# Altium PCB RockerBox_1_SiC780A_Rev02.PcbDoc (part 1 of 4) (continued)
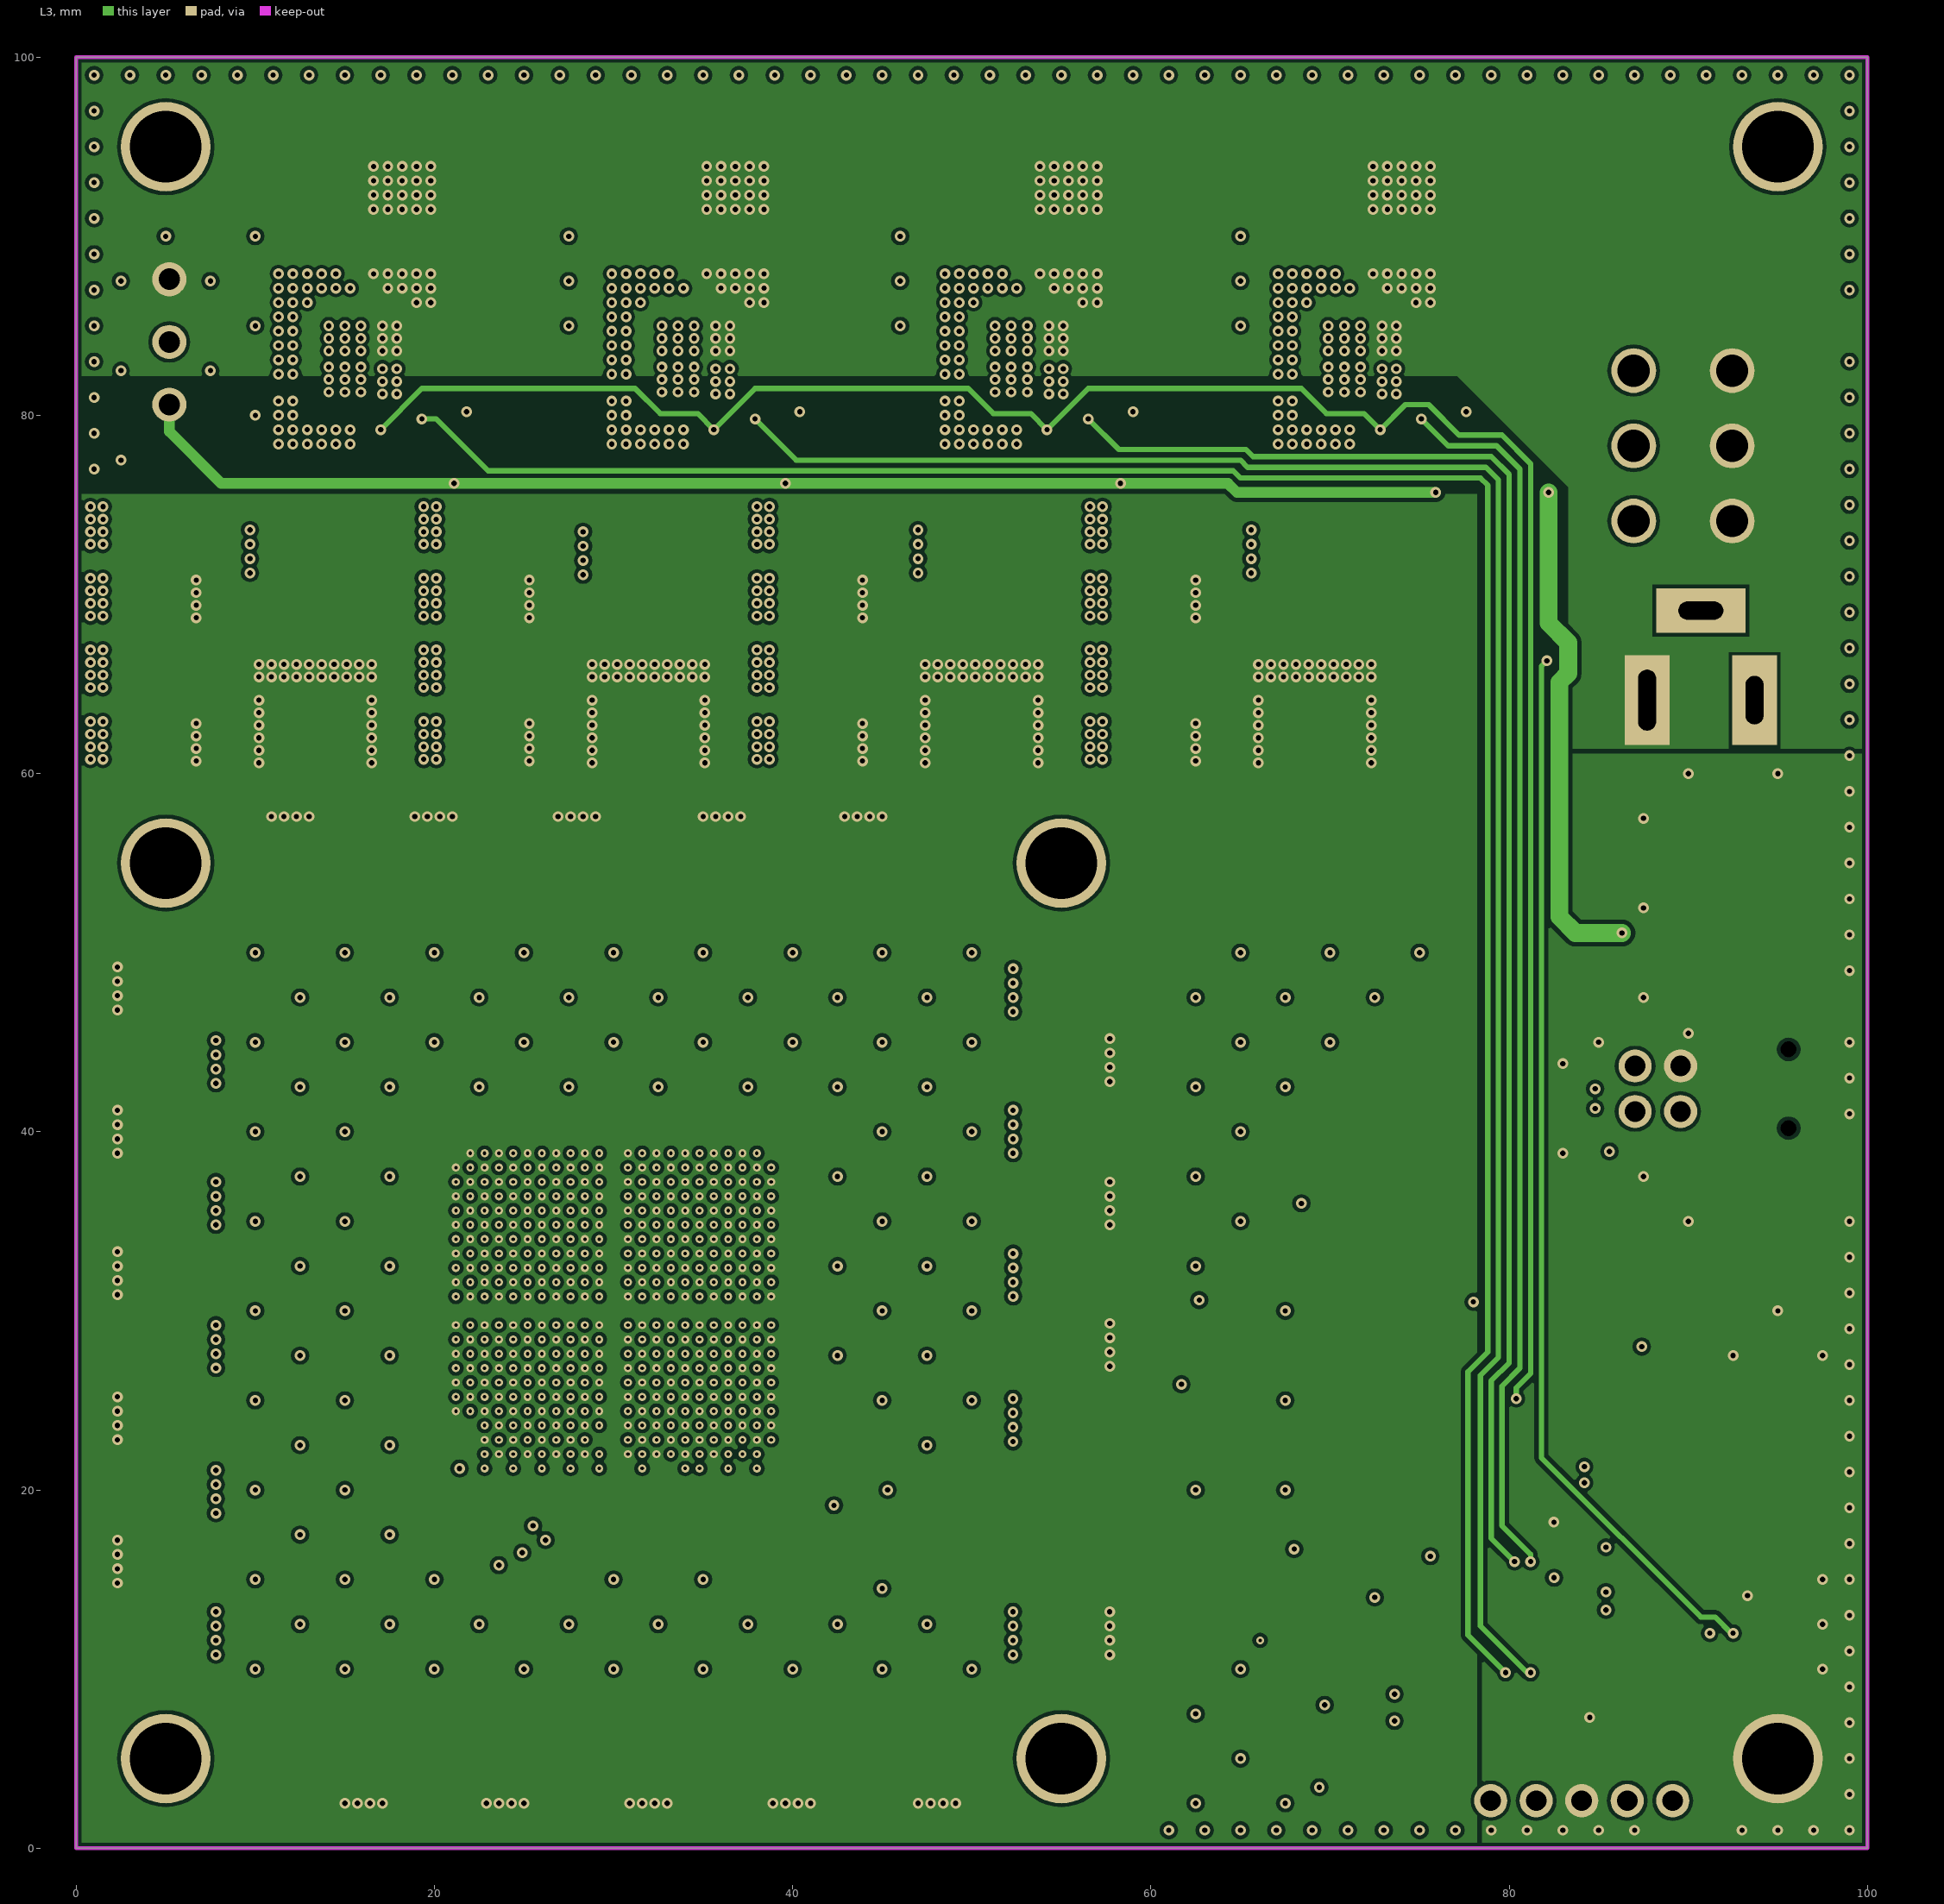
[diagram p3: L3]
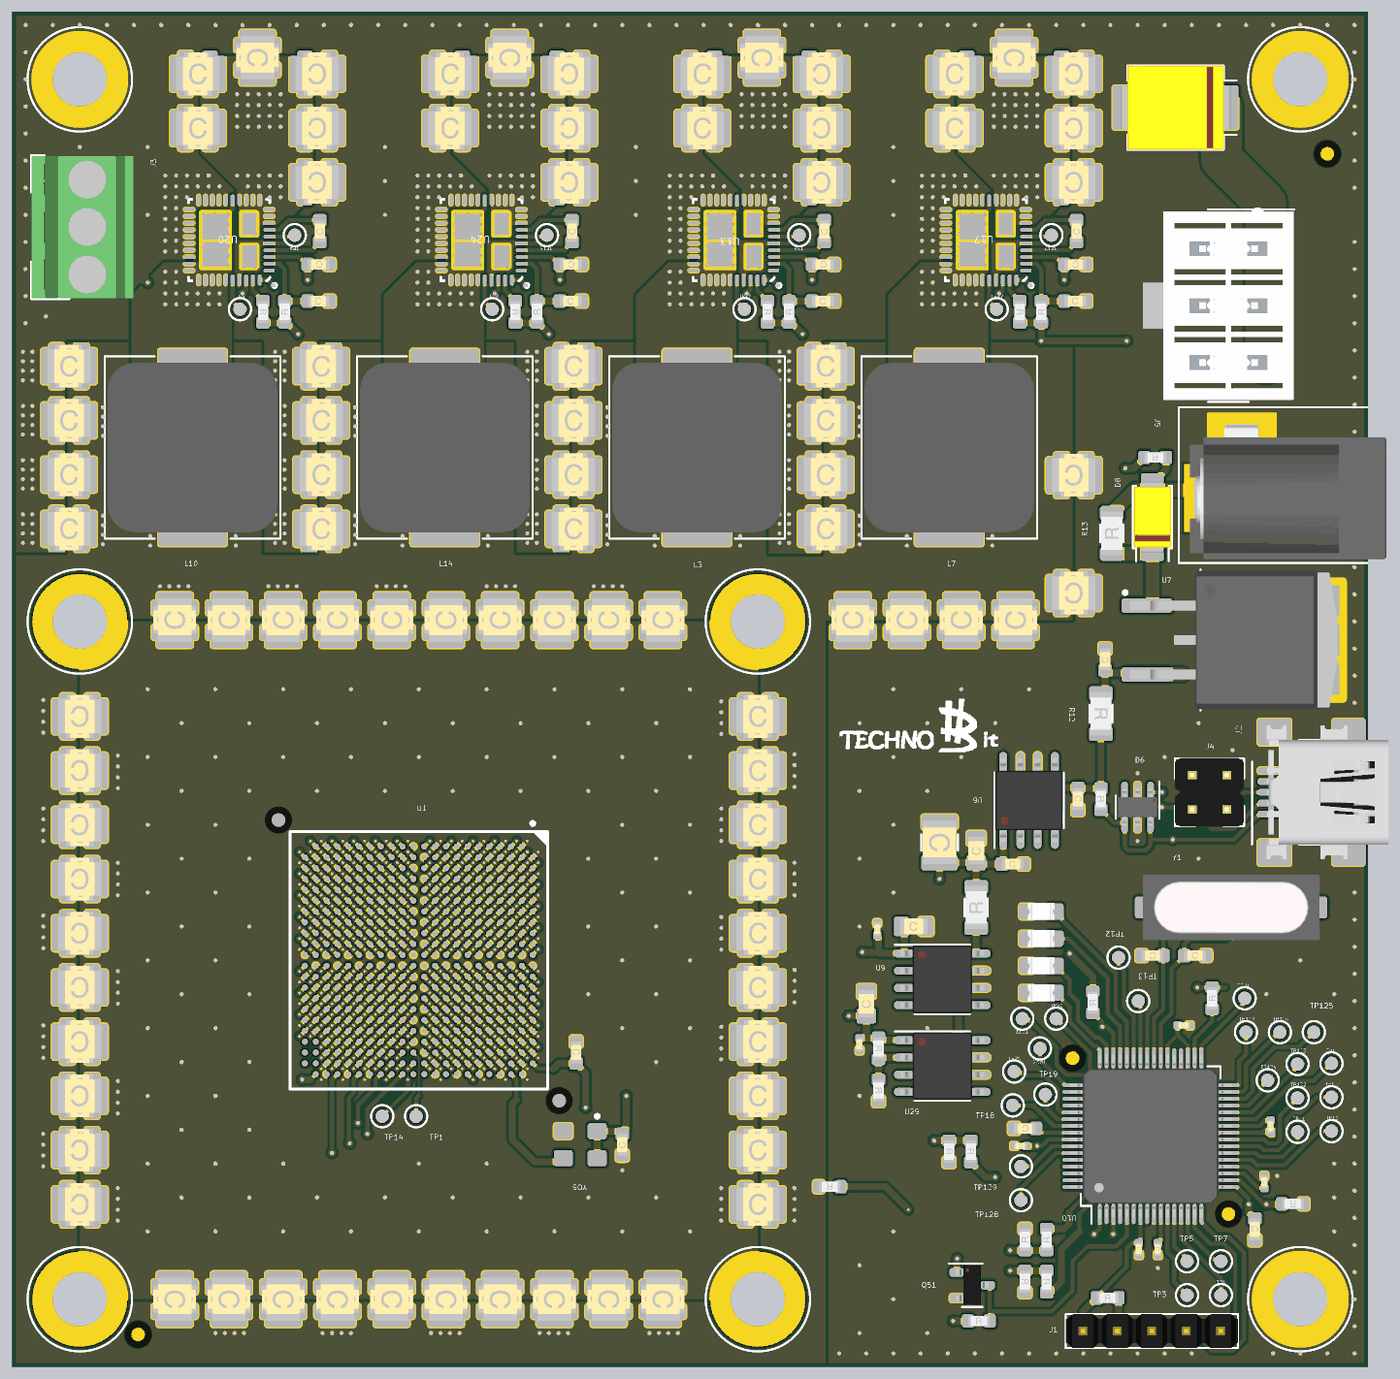
[diagram p7: 3D render of the assembled board from above, using the file's embedded part models]

## Layer stack, top to bottom
21_Solder Mask Top: solder mask 0.0102, Solder Resist, Dk 3.5
L1: signal copper 0.0335
Dielectric1: dielectric 0.18, FR-4, Dk 4.75
L2: signal copper 0.035
Dielectric2: dielectric 1.08, FR-4, Dk 4.75
L3: signal copper 0.035
Dielectric3: dielectric 0.18, FR-4, Dk 4.75
L4: signal copper 0.0335
28_Solder Mask Bottom: solder mask 0.0102, Solder Resist, Dk 3.5

## Board outline
0,100 100,100 100,0 0,0

## Design rules (kind name [scope] priority, off if disabled: settings)
Clearance "'All on Layer' PADS rule_62" [OnLayer('L2') vs OnLayer('L2')] p1: gap=0.25
Clearance "'All on Layer' PADS rule_61" [OnLayer('L2') And InPolygon vs OnLayer('L2') And InPolygon] p2: gap=0.3
Clearance "'All on Layer' PADS rule_60" [OnLayer('L2') vs OnLayer('L2')] p3: gap=0.25
Clearance "'All on Layer' PADS rule_59" [OnLayer('L2') And IsSMTPin vs OnLayer('L2') And IsSMTPin] p4: gap=0.15
Clearance "'All on Layer' PADS rule_58" [OnLayer('L2') And IsThruPin vs OnLayer('L2') And IsSMTPin] p5: gap=0.25
Clearance "'All on Layer' PADS rule_57" [OnLayer('L2') And IsSMTPin vs OnLayer('L2') And IsThruPin] p6: gap=0.15
Clearance "'All on Layer' PADS rule_56" [OnLayer('L2') And IsVia vs OnLayer('L2') And IsSMTPin] p7: gap=0.25
Clearance "'All on Layer' PADS rule_55" [OnLayer('L2') And IsSMTPin vs OnLayer('L2') And IsVia] p8: gap=0.15
Clearance "'All on Layer' PADS rule_54" [OnLayer('L2') And (IsTrack Or IsArc) vs OnLayer('L2') And IsSMTPin] p9: gap=0.25
Clearance "'All on Layer' PADS rule_53" [OnLayer('L2') And IsSMTPin vs OnLayer('L2') And (IsTrack Or IsArc)] p10: gap=0.15
Clearance "'All on Layer' PADS rule_52" [OnLayer('L2') vs OnLayer('L2') And (IsTrack Or IsArc Or IsThruPin Or IsSMTPin Or IsVia Or IsFill Or InPolygon)] p11: gap=0.25
Clearance "'All on Layer' PADS rule_49" [OnLayer('L2') And IsVia vs OnLayer('L2') And IsVia] p12: gap=0.1
Clearance "'All on Layer' PADS rule_47" [OnLayer('L3') vs OnLayer('L3')] p13: gap=0.25
Clearance "'All on Layer' PADS rule_46" [OnLayer('L3') And InPolygon vs OnLayer('L3') And InPolygon] p14: gap=0.3
Clearance "'All on Layer' PADS rule_45" [OnLayer('L3') vs OnLayer('L3')] p15: gap=0.25
Clearance "'All on Layer' PADS rule_44" [OnLayer('L3') And IsSMTPin vs OnLayer('L3') And IsSMTPin] p16: gap=0.15
Clearance "'All on Layer' PADS rule_43" [OnLayer('L3') And IsThruPin vs OnLayer('L3') And IsSMTPin] p17: gap=0.25
Clearance "'All on Layer' PADS rule_42" [OnLayer('L3') And IsSMTPin vs OnLayer('L3') And IsThruPin] p18: gap=0.15
Clearance "'All on Layer' PADS rule_41" [OnLayer('L3') And IsVia vs OnLayer('L3') And IsSMTPin] p19: gap=0.25
Clearance "'All on Layer' PADS rule_40" [OnLayer('L3') And IsSMTPin vs OnLayer('L3') And IsVia] p20: gap=0.15
Clearance "'All on Layer' PADS rule_39" [OnLayer('L3') And (IsTrack Or IsArc) vs OnLayer('L3') And IsSMTPin] p21: gap=0.25
Clearance "'All on Layer' PADS rule_38" [OnLayer('L3') And IsSMTPin vs OnLayer('L3') And (IsTrack Or IsArc)] p22: gap=0.15
Clearance "'All on Layer' PADS rule_37" [OnLayer('L3') vs OnLayer('L3') And (IsTrack Or IsArc Or IsThruPin Or IsSMTPin Or IsVia Or IsFill Or InPolygon)] p23: gap=0.25
Clearance "'All on Layer' PADS rule_34" [OnLayer('L3') And IsVia vs OnLayer('L3') And IsVia] p24: gap=0.1
Clearance "'Default' PADS rule_33" [All] p25: gap=0.2
Clearance "'Default' PADS rule_32" [InPolygon vs InPolygon] p26: gap=0.3
Clearance "'Default' PADS rule_31" [All] p27: gap=0.2
Clearance "'Default' PADS rule_30" [IsSMTPin vs IsSMTPin] p28: gap=0.15
Clearance "'Default' PADS rule_29" [IsThruPin vs IsSMTPin] p29: gap=0.2
Clearance "'Default' PADS rule_28" [IsSMTPin vs IsThruPin] p30: gap=0.15
Clearance "'Default' PADS rule_27" [IsVia vs IsSMTPin] p31: gap=0.2
Clearance "'Default' PADS rule_26" [IsSMTPin vs IsVia] p32: gap=0.11
Clearance "'Default' PADS rule_25" [(IsTrack Or IsArc) vs IsSMTPin] p33: gap=0.2
Clearance "'Default' PADS rule_24" [IsSMTPin vs (IsTrack Or IsArc)] p34: gap=0.11
Clearance "'Default' PADS rule_23" [All] p35: gap=0.2
Clearance "'Default' PADS rule_22" [IsVia vs IsVia] p36: gap=0.11
Clearance "'Default' PADS rule_21" [(IsTrack Or IsArc) vs IsVia] p37: gap=0.2
Clearance "'Default' PADS rule_20" [IsVia vs (IsTrack Or IsArc)] p38: gap=0.11
Clearance "'Default' PADS rule_19" [All] p39: gap=0.2
Clearance "'Default' PADS rule_16" [IsVia vs IsVia] p40: gap=0.1
ComponentClearance "'Default' PADS rule_13" [All] p1: gap=0 collisioncheckmode=3 verticalgap=0.254 showdistances=FALSE
FlightTimeFalling "'Default' PADS rule_11" [All] p1: maximum=10.00
FlightTimeRising "'Default' PADS rule_10" [All] p1: maximum=10.00
Length "'Default' PADS rule_5" [All] p1: maxlimit=1270 minlimit=0
MatchedLengths "'Default' PADS rule_12" [InNetClass('All Nets')] p1: tolerance=5.08 checknetsindiffpair=TRUE checkdiffpairvsdiffpair=TRUE checkothers=TRUE
MaxMinImpedance "'Default' PADS rule_9" [All] p1: minimum=50.00 maximum=150.0
ParallelSegment "'Default' PADS rule_8" [All] p1: limit=25.4 gap=5.08
ParallelSegment "'Default' PADS rule_7" [All] p2: limit=25.4 gap=5.08
PlaneClearance "Power Plane Clearance for J2-10" [(Name='J2-10') Or (Name='J2-11')] p1: clearance=0.4 // PAD - Power Plane Clearance
PlaneClearance "Power Plane Clearance for J1-1" [(Name='J1-1') Or (Name='J1-2') Or (Name='J1-3') Or (Name='J1-4') Or (Name='J1-5') Or (Name='J12-1') Or (Name='J12-2') Or (Name='J12-3') Or (Name='J12-4') Or (Name='J12-5') Or (Name='J12-6') Or (Name='J13-1') Or (Name='J14-1') Or (Name='J15-1') Or (Name='J22-1') Or (Name='J23-1') Or (Name='J24-1') Or (Name='J3-1') Or (Name='J3-2') Or (Name='J3-3') Or (Name='J4-1') Or (Name='J4-2') Or (Name='J4-3') Or (Name='J4-4') Or (Name='J9-1')] p2: clearance=0.5 // PAD - Power Plane Clearance
PlaneClearance "'Default' PADS rule_15" [All] p3: clearance=0.3
PlaneConnect "Power Plane Connect Style for VIA60-30-85" [IsVia And (ViaDiameter=23.622) And (HoleSize=11.811)] p1: planeconnectstyle=Relief reliefexpansion=0.15 reliefentries=4 reliefconductorwidth=0.5 reliefairgap=0.254
PlaneConnect "Power Plane Connect Style for VIA45H20" [IsVia And (ViaDiameter=17.716) And (HoleSize=7.874)] p2: planeconnectstyle=Relief reliefexpansion=0.125 reliefentries=2 reliefconductorwidth=0.1 reliefairgap=0.254
PlaneConnect "Power Plane Connect Style for J9-1" [(Name='J9-1')] p3: planeconnectstyle=Relief reliefexpansion=0.3 reliefentries=4 reliefconductorwidth=0.7 reliefairgap=0.254
PlaneConnect "Power Plane Connect Style for J5-3" [(Name='J5-3')] p4: planeconnectstyle=Relief reliefexpansion=0.75 reliefentries=4 reliefconductorwidth=0.5 reliefairgap=0.254
PlaneConnect "Power Plane Connect Style for J5-2" [(Name='J5-2')] p5: planeconnectstyle=Relief reliefexpansion=0.75 reliefentries=4 reliefconductorwidth=0.5 reliefairgap=0.254
PlaneConnect "Power Plane Connect Style for J5-1" [(Name='J5-1')] p6: planeconnectstyle=Relief reliefexpansion=0.75 reliefentries=4 reliefconductorwidth=0.5 reliefairgap=0.254
PlaneConnect "Power Plane Connect Style for J3-1" [(Name='J3-1')] p7: planeconnectstyle=Relief reliefexpansion=0.3 reliefentries=4 reliefconductorwidth=0.29 reliefairgap=0.2
PlaneConnect "Power Plane Connect Style for J24-1" [(Name='J24-1')] p8: planeconnectstyle=Relief reliefexpansion=0.3 reliefentries=4 reliefconductorwidth=0.7 reliefairgap=0.254
PlaneConnect "Power Plane Connect Style for J23-1" [(Name='J23-1')] p9: planeconnectstyle=Relief reliefexpansion=0.3 reliefentries=4 reliefconductorwidth=0.7 reliefairgap=0.254
PlaneConnect "Power Plane Connect Style for J22-1" [(Name='J22-1')] p10: planeconnectstyle=Relief reliefexpansion=0.3 reliefentries=4 reliefconductorwidth=0.7 reliefairgap=0.254
PlaneConnect "Power Plane Connect Style - pads with no thermal" [(Name='J2-10') Or (Name='J2-11')] p11: planeconnectstyle=NoConnect reliefexpansion=0.508 reliefentries=4 reliefconductorwidth=0.254 reliefairgap=0.254 // PAD - No Thermal Connect Rule
PlaneConnect "Power Plane Connect Style for J15-1" [(Name='J15-1')] p12: planeconnectstyle=Relief reliefexpansion=0.3 reliefentries=4 reliefconductorwidth=0.7 reliefairgap=0.254
PlaneConnect "Power Plane Connect Style for J14-1" [(Name='J14-1')] p13: planeconnectstyle=Relief reliefexpansion=0.3 reliefentries=4 reliefconductorwidth=0.7 reliefairgap=0.254
PlaneConnect "Power Plane Connect Style for J13-1" [(Name='J13-1')] p14: planeconnectstyle=Relief reliefexpansion=0.3 reliefentries=4 reliefconductorwidth=0.7 reliefairgap=0.254
PlaneConnect "Power Plane Connect Style for J12-6" [(Name='J12-6')] p15: planeconnectstyle=Relief reliefexpansion=0.35 reliefentries=4 reliefconductorwidth=0.38 reliefairgap=0.254
PlaneConnect "Power Plane Connect Style for J12-5" [(Name='J12-5')] p16: planeconnectstyle=Relief reliefexpansion=0.35 reliefentries=4 reliefconductorwidth=0.38 reliefairgap=0.254
PlaneConnect "Power Plane Connect Style for J12-4" [(Name='J12-4')] p17: planeconnectstyle=Relief reliefexpansion=0.35 reliefentries=4 reliefconductorwidth=0.38 reliefairgap=0.254
PlaneConnect "Power Plane Connect Style for J12-3" [(Name='J12-3')] p18: planeconnectstyle=Relief reliefexpansion=0.35 reliefentries=4 reliefconductorwidth=0.38 reliefairgap=0.254
PlaneConnect "Power Plane Connect Style for J12-2" [(Name='J12-2')] p19: planeconnectstyle=Relief reliefexpansion=0.35 reliefentries=4 reliefconductorwidth=0.38 reliefairgap=0.254
PlaneConnect "Power Plane Connect Style for J12-1" [(Name='J12-1')] p20: planeconnectstyle=Relief reliefexpansion=0.35 reliefentries=4 reliefconductorwidth=0.38 reliefairgap=0.254
PlaneConnect "Power Plane Connect Style for J1-1" [(Name='J1-1')] p21: planeconnectstyle=Relief reliefexpansion=0.3 reliefentries=4 reliefconductorwidth=0.28 reliefairgap=0.2
PlaneConnect "Power Plane Connect Style - Via from round thru-hole global defaults" [IsVia] p22: planeconnectstyle=Relief reliefexpansion=0.508 reliefentries=4 reliefconductorwidth=0.5 reliefairgap=0.254
PlaneConnect "Power Plane Connect Style - Round thru-hole pad from global defaults" [IsPad And OnMultiLayer And (PadShape_MidLayer1 = 'Round') And (PadXSize_MidLayer1 = PadYSize_MidLayer1)] p23: planeconnectstyle=Relief reliefexpansion=0.508 reliefentries=4 reliefconductorwidth=0.5 reliefairgap=0.254
PlaneConnect "Power Plane Connect Style - Square thru-hole pad from global defaults" [IsPad And OnMultiLayer And ((PadShape_MidLayer1 = 'Rectangular') Or (PadShape_MidLayer1 = 'Octagonal') Or (PadShape_MidLayer1 = 'Rounded Rectangle')) And (PadXSize_MidLayer1 = PadYSize_MidLayer1)] p24: planeconnectstyle=Relief reliefexpansion=0.508 reliefentries=4 reliefconductorwidth=0.5 reliefairgap=0.254
PlaneConnect "Power Plane Connect Style - Rect thru-hole pad from global defaults" [IsPad And OnMultiLayer And ((PadShape_MidLayer1 = 'Rectangular') Or (PadShape_MidLayer1 = 'Octagonal') Or (PadShape_MidLayer1 = 'Rounded Rectangle')) And (PadXSize_MidLayer1 <> PadYSize_MidLayer1)] p25: planeconnectstyle=Relief reliefexpansion=0.508 reliefentries=4 reliefconductorwidth=0.5 reliefairgap=0.254
PlaneConnect "Power Plane Connect Style - Square-rect thru-hole pad from global defaults" [IsPad And OnMultiLayer And (PadShape_MidLayer1 = 'Rounded Rectangle') And (PadXSize_MidLayer1 = PadYSize_MidLayer1) And (Pad_CornerRadius_MidLayer1 = '0%')] p26: planeconnectstyle=Relief reliefexpansion=0.508 reliefentries=4 reliefconductorwidth=0.5 reliefairgap=0.254
PlaneConnect "Power Plane Connect Style - Oval thru-hole pad from global defaults" [IsPad And OnMultiLayer And (PadShape_MidLayer1 = 'Round') And (PadXSize_MidLayer1 <> PadYSize_MidLayer1)] p27: planeconnectstyle=Relief reliefexpansion=0.508 reliefentries=4 reliefconductorwidth=0.5 reliefairgap=0.254
PlaneConnect "Power Plane Connect Style - Round-oval thru-hole pad from global defaults" [IsPad And OnMultiLayer And (PadShape_MidLayer1 = 'Rounded Rectangle') And (PadXSize_MidLayer1 = PadYSize_MidLayer1) And (Pad_CornerRadius_MidLayer1 = '100%')] p28: planeconnectstyle=Relief reliefexpansion=0.508 reliefentries=4 reliefconductorwidth=0.5 reliefairgap=0.254
PolygonConnect PolygonConnect_1 [All] p1: connectstyle=Direct reliefconductorwidth=0.254 reliefentries=4 polygonreliefangle="90 Angle" airgapwidth=0.254
PolygonConnect "Polygon Connect Style - L4 Round SMD from global defaults" [IsSMTPin And (PadShape_BottomLayer = 'Round') And (PadXSize_BottomLayer = PADYSize_BottomLayer) vs Layer = 'L4'] p2: connectstyle=Relief reliefconductorwidth=0.3 reliefentries=4 polygonreliefangle="45 Angle" airgapwidth=0.254
PolygonConnect "Polygon Connect Style - L1 Round SMD from global defaults" [IsSMTPin And (PadShape_TopLayer = 'Round') And (PadXSize_TopLayer = PADYSize_TopLayer) vs Layer = 'L1'] p3: connectstyle=Relief reliefconductorwidth=0.3 reliefentries=4 polygonreliefangle="45 Angle" airgapwidth=0.254
PolygonConnect "Polygon Connect Style - L4 Square SMD from global defaults 1" [IsSMTPin And (PadShape_BottomLayer = 'Rectangular') And (PadXSize_BottomLayer = PADYSize_BottomLayer) vs Layer = 'L4'] p4: connectstyle=Relief reliefconductorwidth=0.3 reliefentries=4 polygonreliefangle="90 Angle" airgapwidth=0.254
PolygonConnect "Polygon Connect Style - L4 Square SMD from global defaults 2" [IsSMTPin And (PadShape_BottomLayer = 'Octagonal') And (PadXSize_BottomLayer = PADYSize_BottomLayer) vs Layer = 'L4'] p5: connectstyle=Relief reliefconductorwidth=0.3 reliefentries=4 polygonreliefangle="90 Angle" airgapwidth=0.254
PolygonConnect "Polygon Connect Style - L4 Square SMD from global defaults 3" [IsSMTPin And (PadShape_BottomLayer = 'Rounded Rectangle') And (PadXSize_BottomLayer = PADYSize_BottomLayer) vs Layer = 'L4'] p6: connectstyle=Relief reliefconductorwidth=0.3 reliefentries=4 polygonreliefangle="90 Angle" airgapwidth=0.254
PolygonConnect "Polygon Connect Style - L1 Square SMD from global defaults 1" [IsSMTPin And (PadShape_TopLayer = 'Rectangular') And (PadXSize_TopLayer = PADYSize_TopLayer) vs Layer = 'L1'] p7: connectstyle=Relief reliefconductorwidth=0.3 reliefentries=4 polygonreliefangle="90 Angle" airgapwidth=0.254
PolygonConnect "Polygon Connect Style - L1 Square SMD from global defaults 2" [IsSMTPin And (PadShape_TopLayer = 'Octagonal') And (PadXSize_TopLayer = PADYSize_TopLayer) vs Layer = 'L1'] p8: connectstyle=Relief reliefconductorwidth=0.3 reliefentries=4 polygonreliefangle="90 Angle" airgapwidth=0.254
PolygonConnect "Polygon Connect Style - L1 Square SMD from global defaults 3" [IsSMTPin And (PadShape_TopLayer = 'Rounded Rectangle') And (PadXSize_TopLayer = PADYSize_TopLayer) vs Layer = 'L1'] p9: connectstyle=Relief reliefconductorwidth=0.3 reliefentries=4 polygonreliefangle="90 Angle" airgapwidth=0.254
PolygonConnect "Polygon Connect Style - L4 Rect SMD from global defaults 1" [IsSMTPin And (PadShape_BottomLayer = 'Rectangular') And (PadXSize_BottomLayer <> PADYSize_BottomLayer) vs Layer = 'L4'] p10: connectstyle=Relief reliefconductorwidth=0.3 reliefentries=4 polygonreliefangle="90 Angle" airgapwidth=0.254
PolygonConnect "Polygon Connect Style - L4 Rect SMD from global defaults 2" [IsSMTPin And (PadShape_BottomLayer = 'Octagonal') And (PadXSize_BottomLayer <> PADYSize_BottomLayer) vs Layer = 'L4'] p11: connectstyle=Relief reliefconductorwidth=0.3 reliefentries=4 polygonreliefangle="90 Angle" airgapwidth=0.254
PolygonConnect "Polygon Connect Style - L4 Rect SMD from global defaults 3" [IsSMTPin And (PadShape_BottomLayer = 'Rounded Rectangle') And (PadXSize_BottomLayer <> PADYSize_BottomLayer) vs Layer = 'L4'] p12: connectstyle=Relief reliefconductorwidth=0.3 reliefentries=4 polygonreliefangle="90 Angle" airgapwidth=0.254
PolygonConnect "Polygon Connect Style - L4 Square-rect SMD pad from global defaults" [IsSMTPin And (PadShape_BottomLayer = 'Rounded Rectangle') And (PadXSize_BottomLayer = PADYSize_BottomLayer) And (Pad_CornerRadius_BottomLayer = '0%') vs Layer = 'L4'] p13: connectstyle=Relief reliefconductorwidth=0.3 reliefentries=4 polygonreliefangle="90 Angle" airgapwidth=0.254
PolygonConnect "Polygon Connect Style - L1 Rect SMD from global defaults 1" [IsSMTPin And (PadShape_TopLayer = 'Rectangular') And (PadXSize_TopLayer <> PADYSize_TopLayer) vs Layer = 'L1'] p14: connectstyle=Relief reliefconductorwidth=0.3 reliefentries=4 polygonreliefangle="90 Angle" airgapwidth=0.254
PolygonConnect "Polygon Connect Style - L1 Rect SMD from global defaults 2" [IsSMTPin And (PadShape_TopLayer = 'Octagonal') And (PadXSize_TopLayer <> PADYSize_TopLayer) vs Layer = 'L1'] p15: connectstyle=Relief reliefconductorwidth=0.3 reliefentries=4 polygonreliefangle="90 Angle" airgapwidth=0.254
PolygonConnect "Polygon Connect Style - L1 Rect SMD from global defaults 3" [IsSMTPin And (PadShape_TopLayer = 'Rounded Rectangle') And (PadXSize_TopLayer <> PADYSize_TopLayer) vs Layer = 'L1'] p16: connectstyle=Relief reliefconductorwidth=0.3 reliefentries=4 polygonreliefangle="90 Angle" airgapwidth=0.254
PolygonConnect "Polygon Connect Style - L1 Square-rect SMD pad from global defaults" [IsSMTPin And (PadShape_TopLayer = 'Rounded Rectangle') And (PadXSize_TopLayer = PADYSize_TopLayer) And (Pad_CornerRadius_TopLayer = '0%') vs Layer = 'L1'] p17: connectstyle=Relief reliefconductorwidth=0.3 reliefentries=4 polygonreliefangle="90 Angle" airgapwidth=0.254
PolygonConnect "Polygon Connect Style - L4 Oval SMD from global defaults" [IsSMTPin And (PadShape_BottomLayer = 'Round') And (PadXSize_BottomLayer <> PADYSize_BottomLayer) vs Layer = 'L4'] p18: connectstyle=Relief reliefconductorwidth=0.3 reliefentries=4 polygonreliefangle="45 Angle" airgapwidth=0.254
PolygonConnect "Polygon Connect Style - L4 Round-oval SMD pad from global defaults" [IsSMTPin And (PadShape_BottomLayer = 'Rounded Rectangle') And (PadXSize_BottomLayer = PADYSize_BottomLayer) And (Pad_CornerRadius_BottomLayer = '100%') vs Layer = 'L4'] p19: connectstyle=Relief reliefconductorwidth=0.3 reliefentries=4 polygonreliefangle="45 Angle" airgapwidth=0.254
PolygonConnect "Polygon Connect Style - L1 Oval SMD from global defaults" [IsSMTPin And (PadShape_TopLayer = 'Round') And (PadXSize_TopLayer <> PADYSize_TopLayer) vs Layer = 'L1'] p20: connectstyle=Relief reliefconductorwidth=0.3 reliefentries=4 polygonreliefangle="45 Angle" airgapwidth=0.254
PolygonConnect "Polygon Connect Style - L1 Round-oval SMD pad from global defaults" [IsSMTPin And (PadShape_TopLayer = 'Rounded Rectangle') And (PadXSize_TopLayer = PADYSize_TopLayer) And (Pad_CornerRadius_TopLayer = '100%') vs Layer = 'L1'] p21: connectstyle=Relief reliefconductorwidth=0.3 reliefentries=4 polygonreliefangle="45 Angle" airgapwidth=0.254